# Altium PCB Central pcb board.PcbDoc
Units mm, origin at the board's own origin, x right, y up, seen from the top; angles counter-clockwise.
Board outline 126.37 x 220.9 mm, 2 copper layers (Top Layer, Bottom Layer); 48 components, 40 nets, 289 pads, 0 vias.
Unrouted connection lines stored in the file: 76.
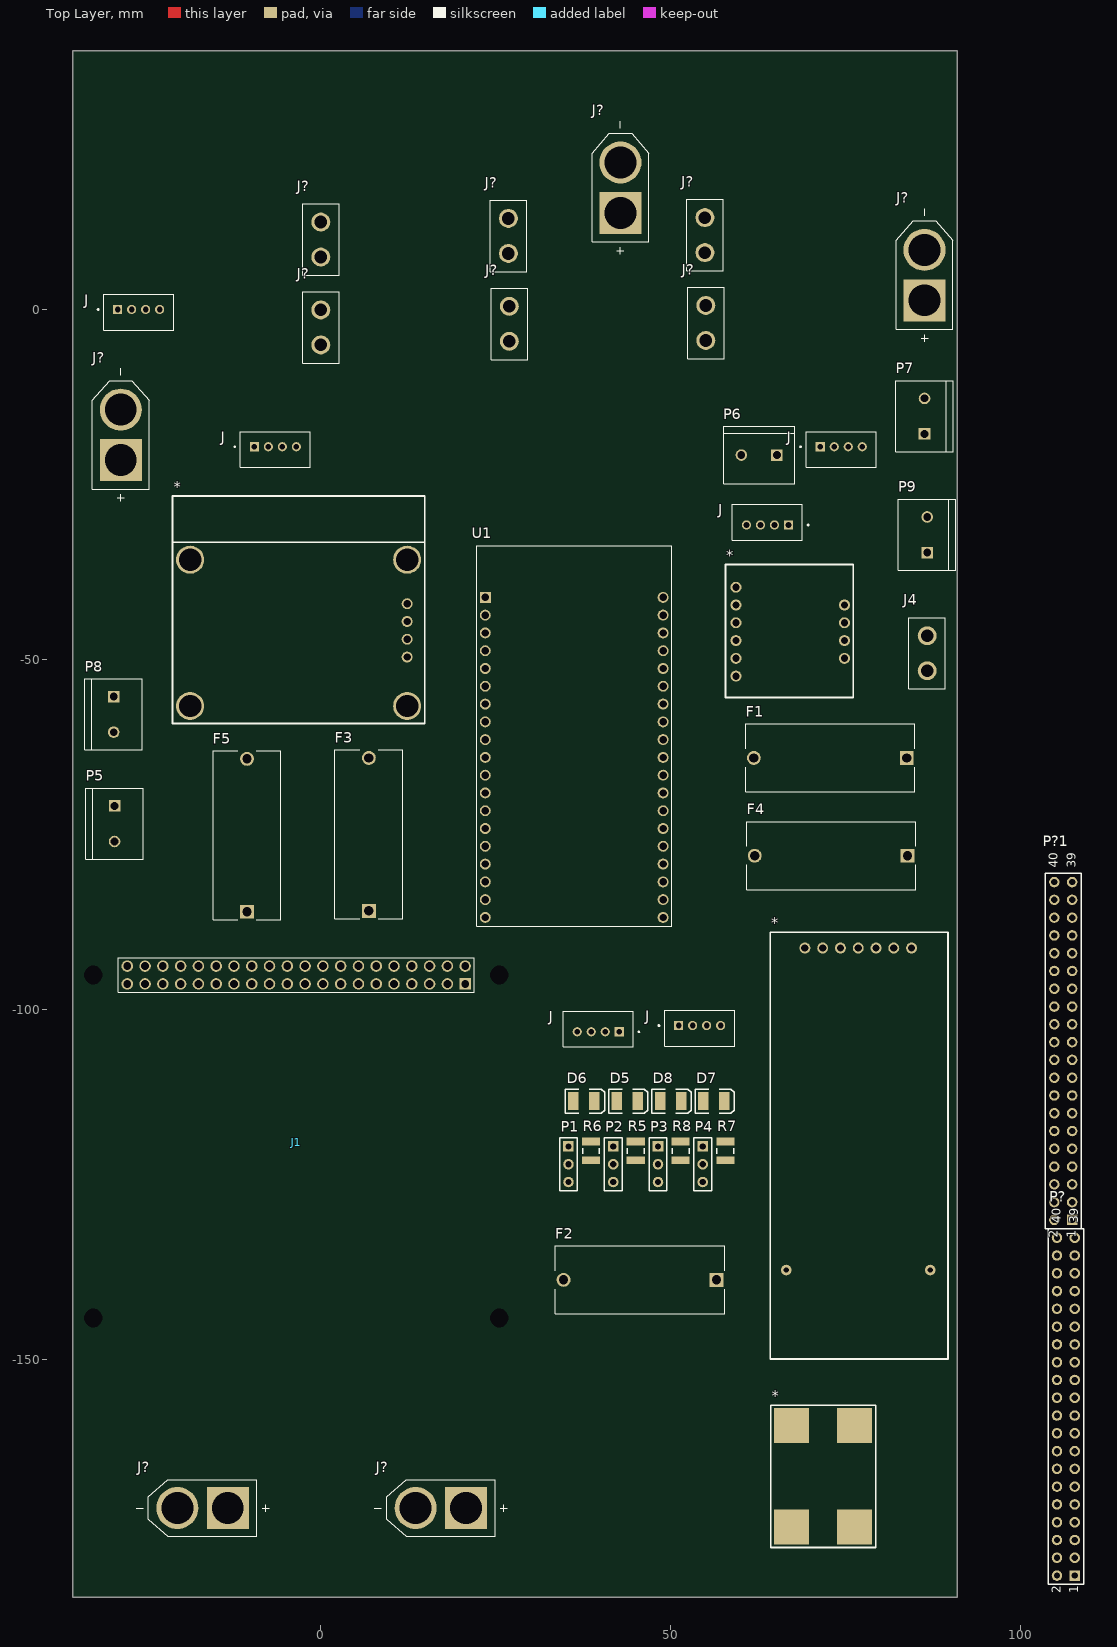
[diagram p0: Top Layer view]
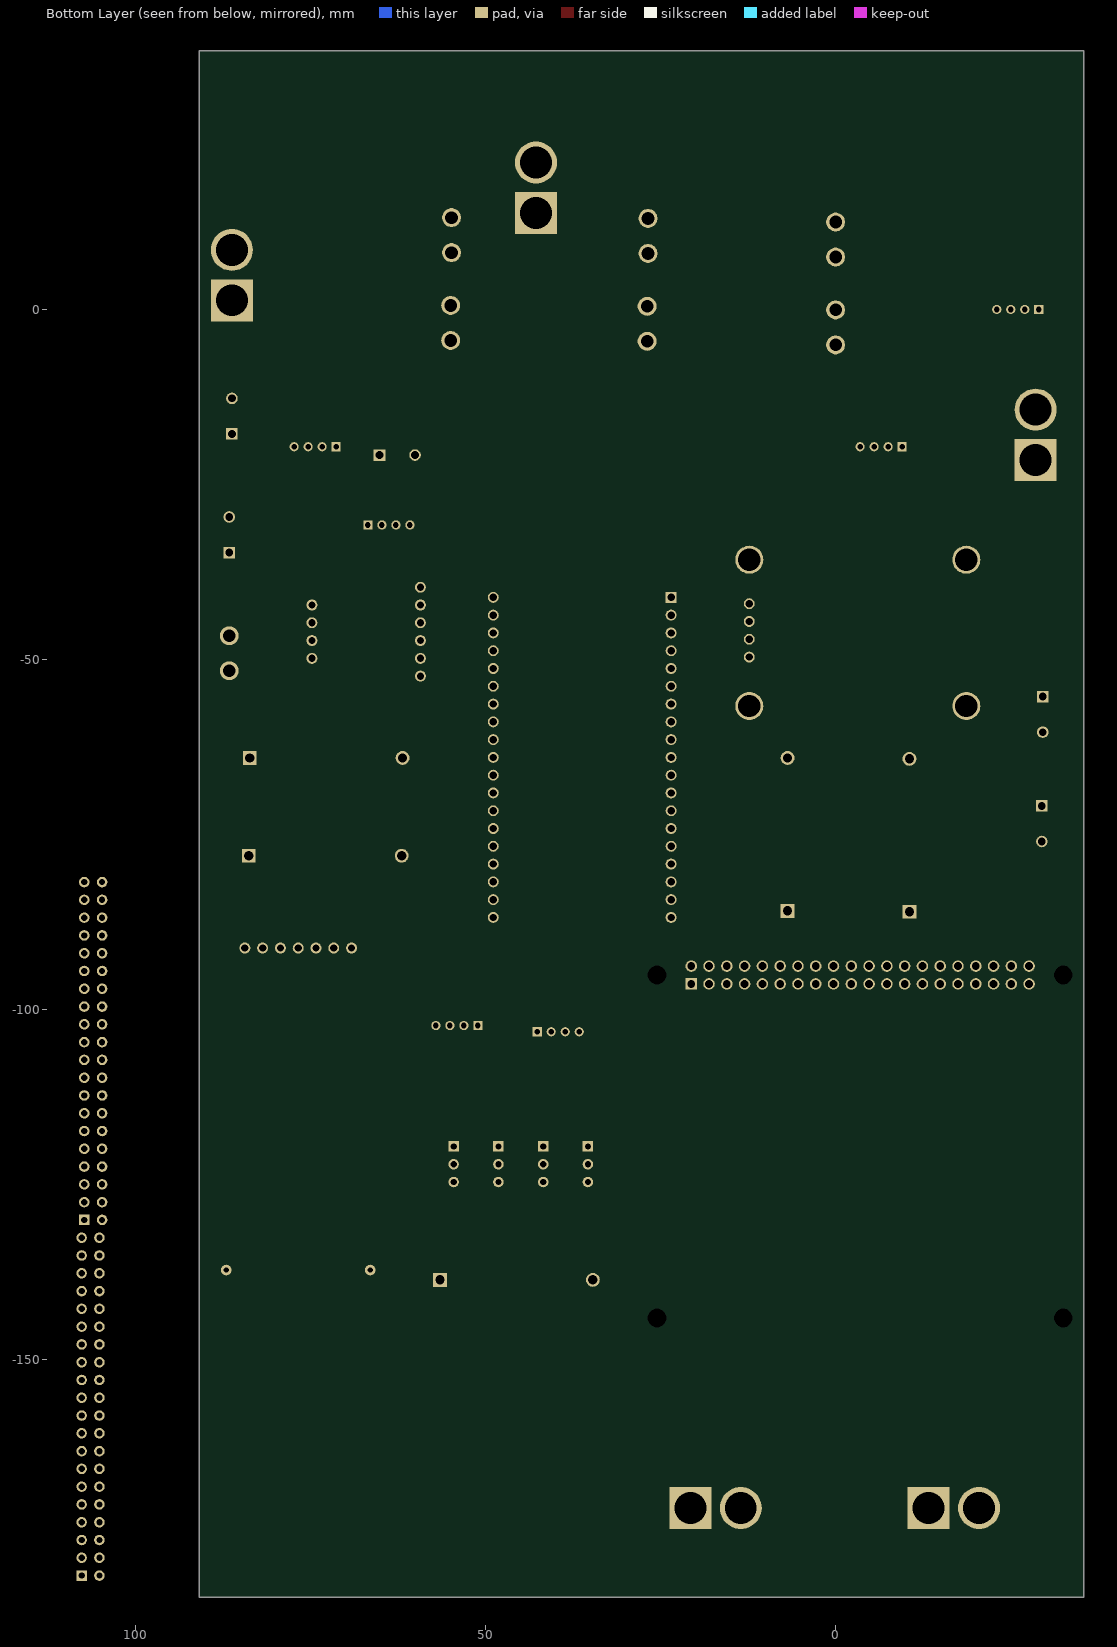
[diagram p1: Bottom Layer view, seen from below]

## Layer stack, top to bottom
Top Solder: solder mask 0.0102, Solder Resist, Dk 3.5
Top Layer: signal copper 0.0356
Dielectric 1: dielectric 0.32, FR-4, Dk 4.8
Bottom Layer: signal copper 0.0356
Bottom Solder: solder mask 0.0102, Solder Resist, Dk 3.5

## Board outline
-35.433,-183.943 -35.433,36.957 -17.638,36.957 90.932,36.957 90.932,-183.943

## Design rules (kind name [scope] priority, off if disabled: settings)
Clearance [All] p1: gap=0.254 ignorepadtopadclearanceinfootprint=FALSE except(0: Arc-Hole Track-Hole SMDPad-Hole THPad-Hole Via-Hole Fill-Hole Poly-Hole Region-Hole Text-Hole)
PolygonConnect [All] p1: connectstyle=Relief reliefconductorwidth=0.254 reliefentries=4 polygonreliefangle="90 Angle" airgapwidth=0.254
RoutingVias [All] p1: holewidth=0.711 width=1.27 viastyle="Through Hole" minholewidth=0.711 minwidth=1.27 maxholewidth=0.711 maxwidth=1.27
SolderMaskExpansion [All] p1: expansion=0.102 istentingtop=FALSE
Width [All] p1: maxlimit=0.254 minlimit=0.254 preferedwidth=0.254
30 further rules are at their usual default settings.

## Classes and differential pairs
component class Sheet4: * D5 D6 D7 D8 F1 F2 F3 F4 F5 J J1 J4 J? P1 P2 P3 P4 P5 P6 P7 P8 P9 P? R5 R6 R7 R8 U1

## Components (designator, comment, footprint, x,y, rotation, side; value= is the part's Value field where it differs from the comment)
* "gps" gps 12.331,-56.644 r180 top
* "bno" BNO 74.802,-40.941 r270 top
* "lan2uart" lan2uart 87.048,-137.207 r270 top
* "microbuck" "Micro buck" 71.755,-166.671 r0 top
D5 "LED3" 3.5X2.8X1.9 43.771,-113.077 r0 top
D6 "LED3" 3.5X2.8X1.9 37.59,-113.077 r0 top
D7 "LED3" 3.5X2.8X1.9 56.134,-113.077 r0 top
D8 "LED3" 3.5X2.8X1.9 49.953,-113.077 r0 top
F1 "4527" FUSE_4527 72.771,-64.055 r180 top
F2 "4527" FUSE_4527 45.593,-138.604 r180 top
F3 "4527" FUSE_4527 6.858,-74.977 r90 top
F4 "4527" FUSE_4527 72.898,-78.025 r180 top
F5 "4527" FUSE_4527 -10.541,-75.104 r90 top
J "110990030" SEEED_110990030 -6.493,-19.605 r0 top
J "110990030" SEEED_110990030 74.343,-19.605 r0 top
J "110990030" SEEED_110990030 -26.019,0 r0 top
J "110990030" SEEED_110990030 39.624,-103.171 r180 top
J "110990030" SEEED_110990030 63.802,-30.781 r180 top
J "110990030" SEEED_110990030 54.102,-102.282 r0 top
J1 "RASPBERRY_PI_4B_+_Samtec_ESP-120-33-G-D" RASPBERRYPI4B4GB 20.618,-96.335 r0 top
J4 "XT30PB" XT30PB 86.614,-46.609 r0 top
J? "XT60-M" AMASS_XT60-M -16.891,-171.196 r180 top
J? "XT60-M" AMASS_XT60-M -28.575,-17.907 r90 top
J? "XT60-M" AMASS_XT60-M 42.799,17.399 r90 top
J? "XT60-M" AMASS_XT60-M 86.233,4.909 r90 top
J? "XT60-M" AMASS_XT60-M 17.145,-171.196 r180 top
J? "XT30PB" XT30PB 0,-0.061 r0 top
J? "XT30PB" XT30PB 54.864,13.128 r0 top
J? "XT30PB" XT30PB 0,12.493 r0 top
J? "XT30PB" XT30PB 26.924,0.447 r0 top
J? "XT30PB" XT30PB 26.797,13.001 r0 top
J? "XT30PB" XT30PB 54.991,0.574 r0 top
P1 "Header 3" HDR1X3 35.376,-119.554 r270 top
P2 "Header 3" HDR1X3 41.77,-119.554 r270 top
P3 "Header 3" HDR1X3 48.163,-119.554 r270 top
P4 "Header 3" HDR1X3 54.557,-119.554 r270 top
P5 "282837-2" TE_282837-2 -29.464,-73.453 r270 top
P6 "282837-2" TE_282837-2 62.611,-20.792 r180 top
P7 "282837-2" TE_282837-2 86.233,-15.24 r90 top
P8 "282837-2" TE_282837-2 -29.591,-57.832 r270 top
P9 "282837-2" TE_282837-2 86.614,-32.178 r90 top
P? "Header 20X2" HDR2X20 107.696,-180.848 r90 top
P?1 "Header 20X2" HDR2X20 107.315,-130.048 r90 top (schematic designator P?)
R5 "Res3" 14-1210 44.998,-120.186 r90 top value=1K
R6 "Res3" 14-1210 38.605,-120.186 r90 top value=1K
R7 "Res3" 14-1210 57.785,-120.186 r90 top value=1K
R8 "Res3" 14-1210 51.392,-120.186 r90 top value=1K
U1 "ESP32-DEVKITC-32D" MODULE_ESP32-DEVKITC-32D 36.195,-60.88 r0 top

## Footprints (in the part's own frame and the unit in brackets; to place one, negate y for a bottom-side part, rotate by r counter-clockwise, add the part's x,y. Pads: shape width x height; smd on the part's side, far side on the other; paste and mask are expansions set on the pad)
3.5X2.8X1.9 [mm] "SM LED; 2 C-Bend Leads; Body 3.5 x 2.8 x 1.9 mm, inc leads (LxWxH typ)"
  rect 1.5x2.6 smd: 1(-1.5,0) 2(1.5,0)
  silkscreen extent -2.65,-1.7 2.95,1.7
14-1210 [mm] "Chip Resistor, Body 3.2x2.5mm, IPC High Density"
  rect 1.1x2.6 smd: 1(-1.35,0) 2(1.35,0)
  silkscreen extent -0.4,-1.2 0.4,1.2, body extent -1.68,-1.32 1.68,1.32, height 0.9
AMASS_XT60-M [mm]
  round 6 hole 4.55: N(3.6,0)
  rect 6x6 hole 4.55: P(-3.6,0)
  silkscreen extent -9.5,-4.05 9.5,4.05, body extent -7.75,-4.05 7.75,4.05, height 16
BNO [mm]
  round 1.56 hole 1.04: 6(3.81,0) 7(6.35,0) 8(8.89,0) 9(1.27,0) 10(3.81,-15.5) 11(6.35,-15.5) 12(-1.27,-15.5) 13(1.27,-15.5) 14(8.89,-15.5) 15(11.43,-15.5)
  silkscreen extent -4.5,-17 14.5,1.25
FUSE_4527 [mm]
  rect 1.98x1.98 hole 1.32: 1(-10.92,0)
  round 1.98 hole 1.32: 2(10.92,0)
  silkscreen extent -12.08,-4.85 12.08,4.85
gps [mm]
  round 4 hole 3.2: 35(0,-20.9) 36(31,-20.9) 37(0,0) 38(31,0)
  round 1.56 hole 1.04: 39(0,-7) 40(0,-9.54) 41(0,-12.08) 42(0,-14.62)
  silkscreen extent -2.5,-30 33.5,2.5
HDR1X3 [mm] "Connector; Header; 3 Position"
  rect 1.5x1.5 hole 0.9: 1(0,0)
  round 1.5 hole 0.9: 2(2.54,0) 3(5.08,0)
  silkscreen extent -1.27,-1.27 6.35,1.27
HDR2X20 [mm] "Connector; Header; 20x2 Position"
  rect 1.5x1.5 hole 0.9: 1(0,0)
  round 1.5 hole 0.9: 2(0,2.54) 3(2.54,0) 4(2.54,2.54) 5(5.08,0) 6(5.08,2.54) 7(7.62,0) 8(7.62,2.54) 9(10.16,0) 10(10.16,2.54) 11(12.7,0) 12(12.7,2.54) 13(15.24,0) 14(15.24,2.54) 15(17.78,0) 16(17.78,2.54) 17(20.32,0) 18(20.32,2.54) 19(22.86,0) 20(22.86,2.54) 21(25.4,0) 22(25.4,2.54) 23(27.94,0) 24(27.94,2.54) 25(30.48,0) 26(30.48,2.54) 27(33.02,0) 28(33.02,2.54) 29(35.56,0) 30(35.56,2.54) 31(38.1,0) 32(38.1,2.54) 33(40.64,0) 34(40.64,2.54) 35(43.18,0) 36(43.18,2.54) 37(45.72,0) 38(45.72,2.54) 39(48.26,0) 40(48.26,2.54)
  silkscreen extent -1.27,-1.27 49.53,3.81
lan2uart [mm]
  round 1.56 hole 1.04: 1(-46,-2.664) 2(-46,-5.204) 3(-46,-7.744) 4(-46,-10.284) 5(-46,-12.824) 6(-46,-15.364) 7(-46,-17.904)
  round 1.524 hole 0.762: 16(0,0) 17(0,-20.568)
  silkscreen extent -48.26,-22.86 12.7,2.54
"Micro buck" [mm]
  rect 5x5 smd: 1(-4.5,7.25) 2(4.5,7.25) 3(-4.5,-7.25) 4(4.5,-7.25)
  silkscreen extent -7.5,-10.16 7.5,10.16
MODULE_ESP32-DEVKITC-32D [mm]
  rect 1.56x1.56 hole 1.04: 1(-12.7,19.76)
  round 1.56 hole 1.04: 2(-12.7,17.22) 3(-12.7,14.68) 4(-12.7,12.14) 5(-12.7,9.6) 6(-12.7,7.06) 7(-12.7,4.52) 8(-12.7,1.98) 9(-12.7,-0.56) 10(-12.7,-3.1) 11(-12.7,-5.64) 12(-12.7,-8.18) 13(-12.7,-10.72) 14(-12.7,-13.26) 15(-12.7,-15.8) 16(-12.7,-18.34) 17(-12.7,-20.88) 18(-12.7,-23.42) 19(-12.7,-25.96) 20(12.7,19.76) 21(12.7,17.22) 22(12.7,14.68) 23(12.7,12.14) 24(12.7,9.6) 25(12.7,7.06) 26(12.7,4.52) 27(12.7,1.98) 28(12.7,-0.56) 29(12.7,-3.1) 30(12.7,-5.64) 31(12.7,-8.18) 32(12.7,-10.72) 33(12.7,-13.26) 34(12.7,-15.8) 35(12.7,-18.34) 36(12.7,-20.88) 37(12.7,-23.42) 38(12.7,-25.96)
  silkscreen extent -13.95,-27.25 13.95,27.15
RASPBERRYPI4B4GB [mm]
  rect 1.64x1.64 hole 1.11: 1(0,0)
  round 1.64 hole 1.11: 2(0,2.54) 3(-2.54,0) 4(-2.54,2.54) 5(-5.08,0) 6(-5.08,2.54) 7(-7.62,0) 8(-7.62,2.54) 9(-10.16,0) 10(-10.16,2.54) 11(-12.7,0) 12(-12.7,2.54) 13(-15.24,0) 14(-15.24,2.54) 15(-17.78,0) 16(-17.78,2.54) 17(-20.32,0) 18(-20.32,2.54) 19(-22.86,0) 20(-22.86,2.54) 21(-25.4,0) 22(-25.4,2.54) 23(-27.94,0) 24(-27.94,2.54) 25(-30.48,0) 26(-30.48,2.54) 27(-33.02,0) 28(-33.02,2.54) 29(-35.56,0) 30(-35.56,2.54) 31(-38.1,0) 32(-38.1,2.54) 33(-40.64,0) 34(-40.64,2.54) 35(-43.18,0) 36(-43.18,2.54) 37(-45.72,0) 38(-45.72,2.54) 39(-48.26,0) 40(-48.26,2.54)
  round 1.35 hole 2.7 unplated: 41(4.87,1.27) 42(-53.13,1.27) 43(-53.13,-47.73) 44(4.87,-47.73)
  silkscreen extent -49.53,-1.2 1.27,3.74, body extent -80.63,-53.62 8.36,4.78, height 22.43
SEEED_110990030 [mm]
  rect 1.308x1.308 hole 0.8: 1(-3,0)
  round 1.308 hole 0.8: 2(-1,0) 3(1,0) 4(3,0)
  silkscreen extent -5.9,-2.95 5,2.15
TE_282837-2 [mm]
  rect 1.65x1.65 hole 1.1: 1(-2.54,0)
  round 1.65 hole 1.1: 2(2.54,0)
  silkscreen extent -5.08,-4.1 5.08,4.1
XT30PB [mm]
  round 2.7 hole 1.8: 1(0,0) 2(0,-5)
  silkscreen extent -2.6,-7.6 2.6,2.6, body extent -2.6,-7.6 2.6,2.6, height 10.66

## Part data
D5 D6 D7 D8: "Typical BLUE SiC LED", DatasheetVersion=16-Apr-2002, LatestRevisionDate=17-Dec-2003, LatestRevisionNote="PCB Footprint replaced.", PackageDescription="SM LED; 2 C-Bend Leads; Body 3.5 x 2.8 x 1.9 mm, inc leads (LxWxH typ)", PackageReference=3.5X2.8X1.9, PackageVersion=16-Apr-2002, Published=8-Jun-2000, Publisher="Altium Limited"
F1 F2 F3 F4 F5: "Fuseholder; 5 A; 250 V; Nylon; Base only; Brass, Tin Plate (Contact)", Package=None, Availability=Unavailable, MP=4527, Price=None
J J J J J J: "GROVE 2MM 4PIN VERT CONN 10PCS", Package=None, Arrow_Electronics-Purchase-URL=https://snapeda.com/shop?store=Arrow+Electronics&id=583576, Availability=Good, Check_prices=https://www.snapeda.com/parts/110990030/Seeed%20Technology%20Co.,%20Ltd/view-part/583576/?ref=eda, MF="Seeed Technology", Mouser-Purchase-URL=https://snapeda.com/shop?store=Mouser&id=583576, MP=110990030, Price=None, SnapEDA_Link=https://www.snapeda.com/parts/110990030/Seeed%20Technology%20Co.,%20Ltd/view-part/583576/?ref=snap
J1: "Connector", Manufacturer_Name=RASPBERRY-PI, Manufacturer_Part_Number="RASPBERRY PI 4B + Samtec ESP-120-33-G-D", Datasheet Link=https://www.raspberrypi.org/documentation/hardware/raspberrypi/mechanical/rpi_MECH_4b_4p0.pdf, Height=24.3mm
J4 J? J? J? J? J? J?: "Connector", Manufacturer_Name=Amass, Datasheet Link=https://www.tme.eu/Document/4acc913878197f8c2e30d4b8cdc47230/XT30UPB%20SPEC.pdf, Height=10.7mm, Manufacturer_Part_Number=XT30PB
J? J? J? J? J?: "Plug; DC supply; XT60; male; PIN: 2; for cable; soldered; 30A; 500V", Package=Package, Availability="Not in stock", Check_prices=https://www.snapeda.com/parts/XT60-M/AMASS/view-part/?ref=eda, MF=AMASS, MP=XT60-M, Price=None, SnapEDA_Link=https://www.snapeda.com/parts/XT60-M/AMASS/view-part/?ref=snap
P1 P2 P3 P4: "Header, 3-Pin", LatestRevisionDate=17-Jul-2002, LatestRevisionNote="Re-released for DXP Platform.", Publisher="Altium Limited"
P5 P6 P7 P8 P9: "TERM BLOCK 5.08MM 2POS SIDE ENTY", Package=None, Availability=Unavailable, MP=282837-2, Price=None
P? P?1: "Header, 20-Pin, Dual row", LatestRevisionDate=17-Jul-2002, LatestRevisionNote="Re-released for DXP Platform.", Publisher="Altium Limited"
R5 R6 R7 R8: "Resistor", LatestRevisionDate=29-May-2009, LatestRevisionNote="IPC-7351 Footprint Added.", PackageDescription="Chip Resistor", PackageReference=J1-0603, Published=8-Jun-2000, Publisher="Altium Limited"
U1: "Eval Board For Esp-Wroom-32", Package=None, Availability=Unavailable, MP=ESP32-DEVKITC-32D, Price=None

## Nets (pads, with @x,y where several pads share a name; then routed paths per layer and width w, separated by ;. In a path a pad name is that pad's centre, name@x,y a point inside that pad or via, vN(x,y) a via of type N, cw(c..) or ccw(c..) an arc to the next point about the centre after c; other vN are vias at no path point)
10A: F1.1 F2.1 F4.1 F5.1 J?.P@-13.291,-171.196
20A: *.1@67.255,-159.421 J?.1@0,-0.061 J?.1@26.924,0.447 J?.1@54.991,0.574 J?.P@20.745,-171.196
100A: *.2@76.255,-159.421 *.4@76.255,-173.921 *.5 *.10 *.42 J1.34 J.4 J?.2@0,-5.061 J?.2@26.924,-4.553 J?.2@54.991,-4.426 J?.N@13.545,-171.196 J?.N@-20.491,-171.196 P5.2 P6.2 P7.2 P8.2 P9.2
Net*_2: *.2@81.844,-91.207 U1.36
Net*_3: *.3@67.255,-173.921 F3.1
Net*_6: *.39 F5.2
Net*_7: *.7@69.144,-91.207 F4.2
Net*_8: *.41 U1.9
Net*_11: *.11 J.1@66.802,-30.781 U1.25
Net*_12: *.12 F1.2
Net*_14: *.14 J.2@64.802,-30.781 U1.22
NetD5_1: D5.1 P2.2 R5.1
NetD5_2: D5.2 J.1@42.624,-103.171 R5.2
NetD6_1: D6.1 P1.2 R6.1
NetD6_2: D6.2 J.2@40.624,-103.171 R6.2
NetD7_1: D7.1 P4.2 R7.1
NetD7_2: D7.2 J.1@51.102,-102.282 R7.2
NetD8_1: D8.1 P3.2 R8.1
NetD8_2: D8.2 J.2@53.102,-102.282 R8.2
NetF2_2: F2.2 J1.2
NetF3_2: F3.2 U1.19
NetJ1_31: J1.31 P2.3
NetJ1_32: J1.32 P4.3
NetJ1_33: J1.33 P3.3
NetJ1_35: J1.35 P1.3
NetJ4_1: J4.1 U1.33
NetJ4_2: J4.2 U1.34
NetJ?_1: J?.1@26.797,13.001 J?.P@42.799,13.799
NetJ?_2: J?.2@26.797,8.001 J?.N@42.799,20.999
NetJ_1: J.1@-29.019,0 U1.13
NetJ_2: J.2@-27.019,0 U1.11
NetP1_1: P1.1 U1.27
NetP2_1: P2.1 U1.21
NetP3_1: P3.1 U1.8
NetP4_1: P4.1 U1.7
NetP5_1: P5.1 U1.5
NetP6_1: P6.1 U1.6
NetP7_1: P7.1 U1.35
NetP8_1: P8.1 U1.12
NetP9_1: P9.1 U1.29
pads on no net: *.1@84.384,-91.207 *.3@79.304,-91.207 *.4@76.764,-91.207 *.6 *.7@74.802,-47.291 *.8 *.9 *.13 *.15 *.16 *.17 *.35 *.36 *.37 *.38 *.40 J1.1 J1.3 J1.4 J1.5 J1.6 J1.7 J1.8 J1.9 J1.10 J1.11 J1.12 J1.13 J1.14 J1.15 J1.16 J1.17 J1.18 J1.19 J1.20 J1.21 J1.22 J1.23 J1.24 J1.25 J1.26 J1.27 J1.28 J1.29 J1.30 J1.36 J1.37 J1.38 J1.39 J1.40 J1.41 J1.42 J1.43 J1.44 J.1@71.343,-19.605 J.1@-9.493,-19.605 J.2@73.343,-19.605 J.2@-7.493,-19.605 J.3 J?.1@0,12.493 J?.1@54.864,13.128 J?.2@0,7.493 J?.2@54.864,8.128 J?.N@86.233,8.509 J?.N@-28.575,-14.307 J?.P@86.233,1.309 J?.P@-28.575,-21.507 P?1.1 P?1.2 P?1.3 P?1.4 P?1.5 P?1.6 P?1.7 P?1.8 P?1.9 P?1.10 P?1.11 P?1.12 P?1.13 P?1.14 P?1.15 P?1.16 P?1.17 P?1.18 P?1.19 P?1.20 P?1.21 P?1.22 P?1.23 P?1.24 P?1.25 P?1.26 P?1.27 P?1.28 P?1.29 P?1.30 P?1.31 P?1.32 P?1.33 P?1.34 P?1.35 P?1.36 P?1.37 P?1.38 P?1.39 P?1.40 P?.1 P?.2 P?.3 P?.4 P?.5 P?.6 P?.7 P?.8 P?.9 P?.10 P?.11 P?.12 P?.13 P?.14 P?.15 P?.16 P?.17 P?.18 P?.19 P?.20 P?.21 P?.22 P?.23 P?.24 P?.25 P?.26 P?.27 P?.28 P?.29 P?.30 P?.31 P?.32 P?.33 P?.34 P?.35 P?.36 P?.37 P?.38 P?.39 P?.40 U1.1 U1.2 U1.3 U1.4 U1.10 U1.14 U1.15 U1.16 U1.17 U1.18 U1.20 U1.23 U1.24 U1.26 U1.28 U1.30 U1.31 U1.32 U1.37 U1.38

## Silkscreen, mask and mechanical layers (free items; w line width, h text height)
Mechanical 15:
  lines w0.254: -35.433,-183.943 -35.433,36.957 -17.638,36.957 75.931,36.957 78.133,36.957 82.303,36.957 90.932,36.957 90.932,-183.943 -35.433,-183.943

## Text inside footprints (layer, text, board x,y; h text height)
P?: Top Overlay "1" at 108.204,-183.388 h1.27 r90; Top Overlay "2" at 105.664,-183.388 h1.27 r90; Top Overlay "40" at 105.664,-130.556 h1.27 r90; Top Overlay "39" at 108.204,-130.556 h1.27 r90
P?1: Top Overlay "39" at 107.823,-79.756 h1.27 r90; Top Overlay "40" at 105.283,-79.756 h1.27 r90; Top Overlay "2" at 105.283,-132.588 h1.27 r90; Top Overlay "1" at 107.823,-132.588 h1.27 r90